# Altium PCB Copy of ECU rev B pcb.PcbDoc (part 1 of 5) (continued)
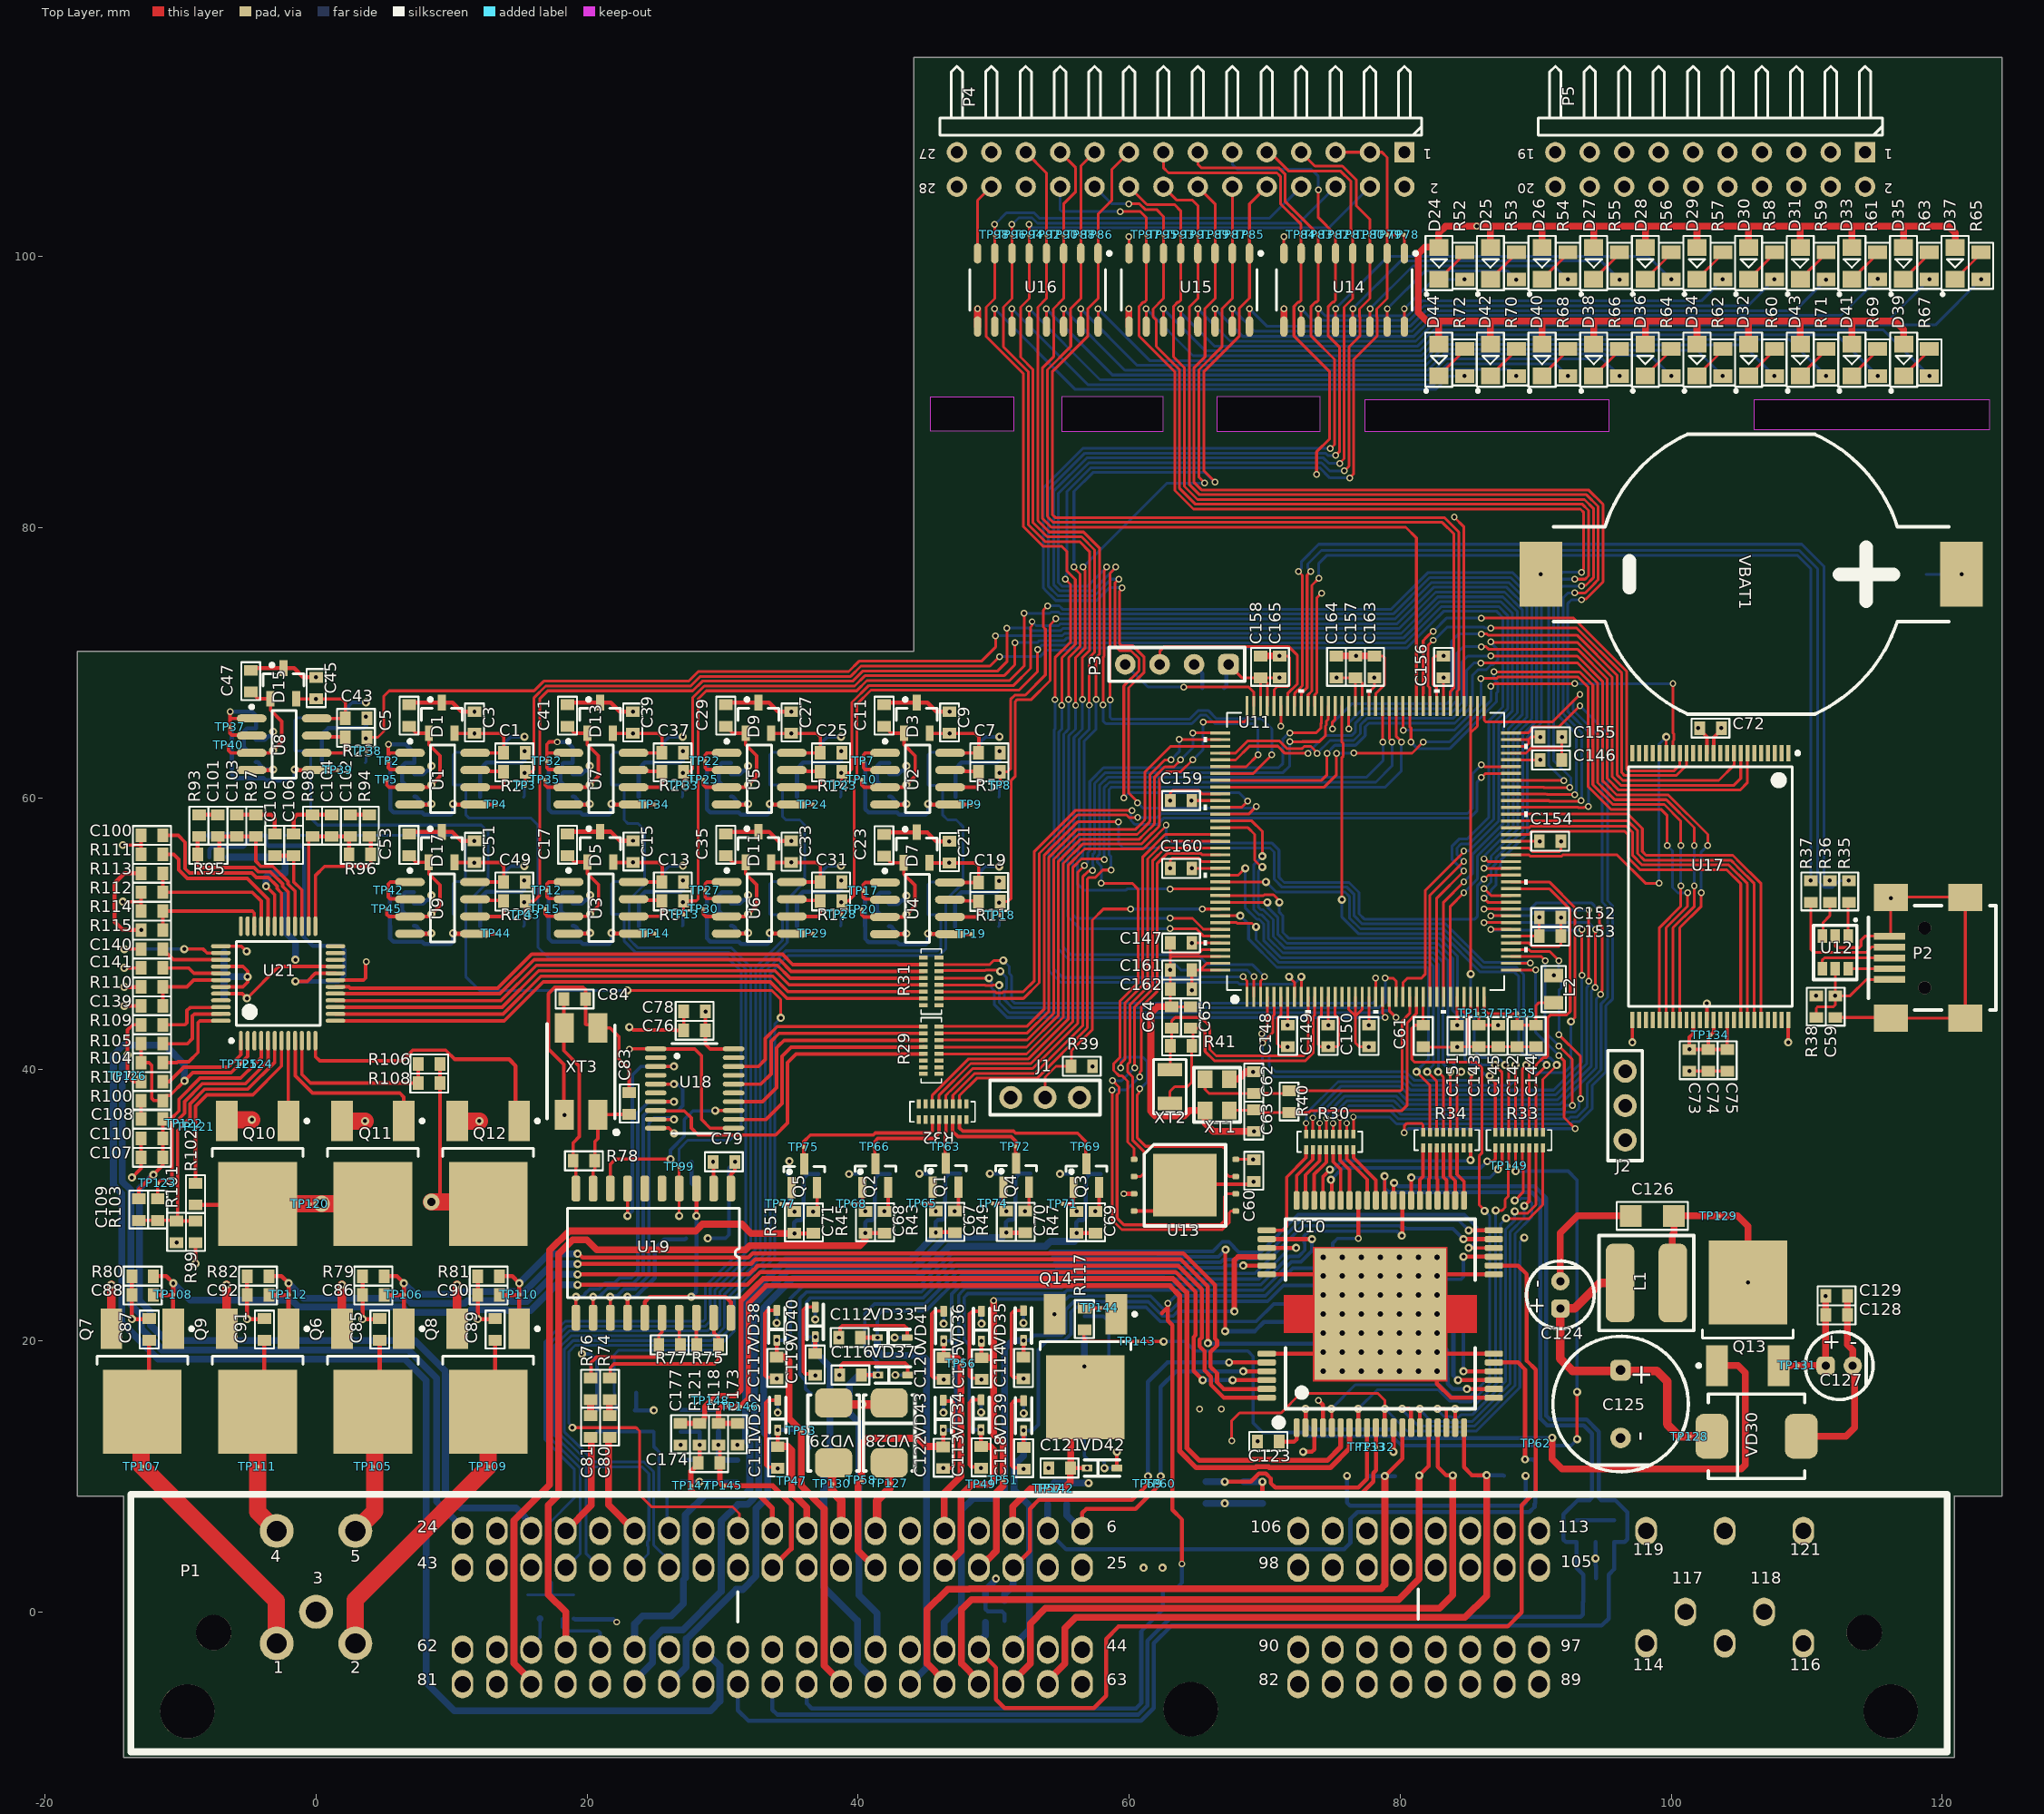
[diagram p0: Top Layer view]
## Design rules (kind name [scope] priority, off if disabled: settings) (continued)
RoomDefinition TaxoOut [InComponentClass('TaxoOut')] p27: confinementstyle=ConfineIn formatcopy=TRUE lockcomponents=FALSE outline 62.725,24.2 52.702,24.2 52.702,8.79 62.725,8.79
RoomDefinition Power [InComponentClass('Power')] p28: confinementstyle=ConfineOut formatcopy=TRUE lockcomponents=FALSE outline -45.202,148.109 -10.283,148.109 -10.283,208.942 -45.202,208.942
RoomDefinition OP11 [InComponentClass('OP11')] p29: confinementstyle=ConfineIn formatcopy=TRUE lockcomponents=FALSE outline 59.779,9.718 59.779,12.512 53.175,12.512 53.175,9.718
RoomDefinition OP10 [InComponentClass('OP10')] p30: confinementstyle=ConfineIn formatcopy=TRUE lockcomponents=TRUE outline 47.206,22.866 44.412,22.866 44.412,16.262 47.206,16.262
RoomDefinition OP8 [InComponentClass('OP8')] p31: confinementstyle=ConfineIn formatcopy=TRUE lockcomponents=FALSE outline 53.103,16.252 50.309,16.252 50.309,9.648 53.103,9.648
RoomDefinition OP3 [InComponentClass('OP3')] p32: confinementstyle=ConfineIn formatcopy=TRUE lockcomponents=FALSE outline 49.968,16.317 47.174,16.317 47.174,9.713 49.968,9.713
RoomDefinition OP2 [InComponentClass('OP2')] p33: confinementstyle=ConfineIn formatcopy=TRUE lockcomponents=TRUE outline 44.298,19.343 44.298,22.137 37.694,22.137 37.694,19.343
RoomDefinition OP1 [InComponentClass('OP1')] p34: confinementstyle=ConfineIn formatcopy=TRUE lockcomponents=FALSE outline 34.959,16.298 32.165,16.298 32.165,9.694 34.959,9.694
RoomDefinition IgnCvt3 [InComponentClass('IgnCvt3')] p35: confinementstyle=ConfineIn formatcopy=TRUE lockcomponents=FALSE outline 16.774,25.69 8.265,25.69 8.265,10.196 16.774,10.196
RoomDefinition IgnCvt2 [InComponentClass('IgnCvt2')] p36: confinementstyle=ConfineIn formatcopy=TRUE lockcomponents=FALSE outline -8.753,25.69 -17.262,25.69 -17.262,10.196 -8.753,10.196
RoomDefinition ExtRam [InComponentClass('ExtRam')] p37: confinementstyle=ConfineIn formatcopy=TRUE lockcomponents=FALSE outline 96.511,66.046 96.511,39.146 109.719,39.146 109.719,66.046
RoomDefinition DC5 [InComponentClass('DC5')] p38: confinementstyle=ConfineIn formatcopy=TRUE lockcomponents=FALSE outline 38.586,27.087 38.586,34.787 33.386,34.787 33.386,27.087
RoomDefinition DC3 [InComponentClass('DC3')] p39: confinementstyle=ConfineIn formatcopy=TRUE lockcomponents=FALSE outline 59.4,27.1 59.4,34.8 54.2,34.8 54.2,27.1
RoomDefinition DC1 [InComponentClass('DC1')] p40: confinementstyle=ConfineIn formatcopy=TRUE lockcomponents=FALSE outline 49.02,27.125 49.02,34.825 43.82,34.825 43.82,27.125
RoomDefinition CPS [InComponentClass('CPS')] p41: confinementstyle=ConfineIn formatcopy=TRUE lockcomponents=TRUE outline 26,8.414 32.2,8.414 32.2,16 26,16
RoomDefinition Connector [InComponentClass('Connector')] p42: confinementstyle=ConfineOut formatcopy=TRUE lockcomponents=FALSE outline -101.717,209.713 -101.717,147.483 -44.186,147.483 -44.186,209.713
RoomDefinition AC9 [InComponentClass('AC9')] p43: confinementstyle=ConfineIn formatcopy=TRUE lockcomponents=FALSE outline 16.387,48.922 16.387,58.447 4.703,58.447 4.703,48.922
RoomDefinition AC7 [InComponentClass('AC7')] p44: confinementstyle=ConfineIn formatcopy=TRUE lockcomponents=FALSE outline 28.077,58.456 28.077,67.981 16.393,67.981 16.393,58.456
RoutingVias RoutingVias_1 [InNetClass('CPU Lines')] p1: holewidth=0.3 width=0.5 viastyle="Through Hole" minholewidth=0.3 minwidth=0.35 maxholewidth=2 maxwidth=0.6
RoutingVias [All] p2: holewidth=0.3 width=0.6 viastyle="Through Hole" minholewidth=0.2 minwidth=0.5 maxholewidth=1 maxwidth=2
SilkToSilkClearance [All] p1: silktosilkclearance=0.1
SilkToSolderMaskClearance [IsPad] p1: minsilkscreentomaskgap=0.1 clearancetoexposedcopper=TRUE
SolderMaskExpansion [All] p1: expansion=0.102 istentingtop=FALSE
Width Width_4 [((InNetClass('CPU Lines')    OR InNetClass('AnalogLine'))  AND NOT   (InNet('3V3')    OR    InNet('GND')))] p1: maxlimit=0.203 minlimit=0.152 preferedwidth=0.203
Width Width_1 [OnLayer('GND')] p2: maxlimit=2.54 minlimit=0.254 preferedwidth=1.27 checkconnectedcopper=TRUE
Width Width_2 [OnLayer('Power')] p3: maxlimit=2.54 minlimit=0.254 preferedwidth=1.27 checkconnectedcopper=TRUE
Width [All] p4: maxlimit=1.5 minlimit=0.1 preferedwidth=0.254 minimp=50.000000 maximp=50.000000 favimp=50.000000
Width Width_3 [InNetClass('L970 line')] p5: maxlimit=0.254 minlimit=0.1 preferedwidth=0.254
23 further rules are at their usual default settings.

## Classes and differential pairs
net class AnalogLine: "Air Temp sensor" AirT "Coolant Temp sensor" CoolantT "HIP in" "HIP sensor" Lambda1 Lambda2 MAF "MAF sensor" MainVoltage MAP "MAP sensor" NetC44_2 NetC50_2 NetTP46_0 TPS "TPS sensor"
net class "CPU Lines": 3V3 \RESET AirT ALE BOOT0 CLE CoolantT FMC_D0 FMC_D1 FMC_D2 FMC_D3 FMC_D4 FMC_D5 FMC_D6 FMC_D7 GND "HIP in" Lambda1 Lambda2 MAF MainVoltage MAP NCE NOE NWAIT NWE OSC32_IN OSC32_OUT OSC_IN OSC_OUT PA0 PA1 PA2 PA3 PA4 PA5 PA6 PA7 PA8 PA15 PB0 PB1 PB2 PB3 PB4 PB5 PB6 PB7 PB8 PB9 PB10 PB11 PB12 PB13 PB14 PC7 PC9 PC10 PC11 PC12 PC13 PD2 PD3 PD6 PD7 PD8 PD9 PD10 PD13 PE0 PE1 PE2 PE3 PE4 PE5 PE6 PE11 PE12 PE13 PE14 PE15 PF6 PF7 PF8 PF9 PG6 PG7 PG8 PG9 PG10 PG11 PG12 PG13 PG14 "RAM WP" SWCLK SWDIO TPS "USB ID" "USB Vin" USB_N USB_P
net class "L970 line": "I Ign1" "I Ign2" "I Ign3" "I Ign4" "I Ing1" "I Ing2" "I Inj3" "I Inj4" "I O2" "I O2_1" "I Starter" "I StepMotor" Vkey
channel class OutProtect: OP1 OP2 OP3 OP4 OP5 OP6 OP7 OP8 OP9 OP10 OP11 OP12
channel class LambdaIn: LIN1 LIN2
channel class IgnMOSFET: IgnCvt1 IgnCvt2 IgnCvt3 IgnCvt4
channel class DigitalConverter: DC1 DC2 DC3 DC4 DC5
channel class AnalogIn: AC1 AC2 AC3 AC4 AC5 AC6 AC7 AC8 AC9
net class Ign[1..4]: Ign1 Ign2 Ign3 Ign4
net class FMC_D[0..7]: FMC_D0 FMC_D1 FMC_D2 FMC_D3 FMC_D4 FMC_D5 FMC_D6 FMC_D7
net class Coil[1..4]: Coil1 Coil2 Coil3 Coil4
component class WideLambdaSensor: C100 C101 C102 C103 C104 C105 C106 C107 C108 C109 C110 Q10 Q11 Q12 R93 R94 R95 R96 R97 R98 R99 R100 R101 R102 R103 R104 R105 R106 R107 R108 R109 TP120 TP121 TP122 TP123 TP124 TP125 TP126 U21
component class TaxoOut: Q14 R116 R117 TP142 TP143 TP144 VD31
component class StepControl: C166 C167 C168 C169 TP138 TP139 TP140 TP141
component class Power: C123 C124 C125 C126 C127 C128 C129 C130 C131 C132 C133 C134 C135 C136 C137 C138 C139 C140 C141 C142 C143 C144 C145 C146 C147 C148 C149 C150 C151 C152 C153 C154 C155 C156 C157 C158 C159 C160 C161 C162 C163 C164 C165 J2 L1 L2 Q13 R110 R111 R112 R113 R114 R115 TP127 TP128 TP129 TP130 TP131 TP132 TP133 TP135 TP136 TP137 U10 VBAT1 VD28 VD29 VD30
component class OP12: C122 VD27 VD43
component class OP11: C121 VD26 VD42
component class OP10: C120 VD25 VD41
component class OP9: C119 VD24 VD40
component class OP8: C118 VD23 VD39
component class OP7: C117 VD22 VD38
component class OP6: C116 VD21 VD37
component class OP5: C115 VD20 VD36
component class OP4: C114 VD19 VD35
component class OP3: C113 VD18 VD34
component class OP2: C112 VD17 VD33
component class OP1: C111 VD16 VD32
component class LIN2: C98 C99 R90 R91 R92 TP118 TP119
component class LIN1: C96 C97 R87 R88 R89 TP116 TP117
component class InterfaceControl: C93 C94 C95 R83 R84 R85 R86 TP113 TP114 TP115 U20
component class IgnCvt4: C91 C92 Q9 R82 TP111 TP112
component class IgnCvt3: C89 C90 Q8 R81 TP109 TP110
component class IgnCvt2: C87 C88 Q7 R80 TP107 TP108
component class IgnCvt1: C85 C86 Q6 R79 TP105 TP106
component class HIP9011: C76 C77 C78 C79 C80 C81 C82 C83 C84 R73 R74 R75 R76 R77 R78 TP99 TP100 TP101 TP102 TP103 TP104 U18 U19 XT3
component class ExtRam: C72 C73 C74 C75 U17
component class ExtIO: D24 D25 D26 D27 D28 D29 D30 D31 D32 D33 D34 D35 D36 D37 D38 D39 D40 D41 D42 D43 D44 P4 P5 R52 R53 R54 R55 R56 R57 R58 R59 R60 R61 R62 R63 R64 R65 R66 R67 R68 R69 R70 R71 R72 TP78 TP79 TP80 TP81 TP82 TP83 TP84 TP85 TP86 TP87 TP88 TP89 TP90 TP91 TP92 TP93 TP94 TP95 TP96 TP97 TP98 U14 U15 U16
component class DC5: C71 D23 Q5 R51 TP75 TP76 TP77 VD15
component class DC4: C70 D22 Q4 R49 TP72 TP73 TP74 VD14
component class DC3: C69 D21 Q3 R47 TP69 TP70 TP71 VD13
component class DC2: C68 D20 Q2 R45 TP66 TP67 TP68 VD12
component class DC1: C67 D19 Q1 R43 TP63 TP64 TP65 VD11
component class CPU: C59 C60 C61 C62 C63 C64 C65 C66 J1 P2 P3 R29 R30 R31 R32 R33 R34 R35 R36 R37 R38 R39 R40 R41 U11 U12 U13 XT1 XT2
component class CPS: C170 C171 C172 C173 C174 C175 C176 C177 R118 R119 R120 R121 TP145 TP146 TP147 TP148 TP149
component class Connector: C55 C56 C57 C58 P1 TP46 TP47 TP48 TP49 TP50 TP51 TP52 TP53 TP54 TP55 TP56 TP57 TP58 TP59 TP60 TP61 TP62 VD10
component class AC9: C49 C50 C51 C52 C53 C54 D17 D18 R25 R26 R27 TP41 TP42 TP43 TP44 TP45 U9 VD9
component class AC8: C43 C44 C45 C46 C47 C48 D15 D16 R22 R23 R24 TP36 TP37 TP38 TP39 TP40 U8 VD8
component class AC7: C37 C38 C39 C40 C41 C42 D13 D14 R19 R20 R21 TP31 TP32 TP33 TP34 TP35 U7 VD7
component class AC6: C31 C32 C33 C34 C35 C36 D11 D12 R16 R17 R18 TP26 TP27 TP28 TP29 TP30 U6 VD6
component class AC5: C25 C26 C27 C28 C29 C30 D9 D10 R13 R14 R15 TP21 TP22 TP23 TP24 TP25 U5 VD5
component class AC4: C19 C20 C21 C22 C23 C24 D7 D8 R10 R11 R12 TP16 TP17 TP18 TP19 TP20 U4 VD4
component class AC3: C13 C14 C15 C16 C17 C18 D5 D6 R7 R8 R9 TP11 TP12 TP13 TP14 TP15 U3 VD3
component class AC2: C7 C8 C9 C10 C11 C12 D3 D4 R4 R5 R6 TP6 TP7 TP8 TP9 TP10 U2 VD2
component class AC1: C1 C2 C3 C4 C5 C6 D1 D2 R1 R2 R3 TP1 TP2 TP3 TP4 TP5 U1 VD1
component class 12to5: R28
differential pair VRS: +VRS_P -VRS_N
differential pair USB: +USB_P -USB_N
differential pair CPS: +CPS_P -CPS_N

## Components (designator, comment, footprint, x,y, rotation, side; value= is the part's Value field where it differs from the comment)
C1 "100nF\50V" "SMD 0603" 15.434,63.367 r180 top (schematic designator C90)
C2 "1nF" "SMD 0603" 8.519,62.393 r0 bottom (schematic designator C87)
C3 "100nF\50V" "SMD 0603" 11.694,64.806 r90 top (schematic designator C88)
C4 "1nF" "SMD 0603" 15.377,63.485 r270 bottom (schematic designator C92)
C5 "1nF" "SMD 0603" 6.868,66.914 r270 top (schematic designator C89)
C6 "1nF" "SMD 0603" 8.519,59.599 r0 bottom (schematic designator C91)
C7 "100nF\50V" "SMD 0603" 50.486,63.367 r180 top (schematic designator C90)
C8 "1nF" "SMD 0603" 43.571,62.393 r0 bottom (schematic designator C87)
C9 "100nF\50V" "SMD 0603" 46.746,64.806 r90 top (schematic designator C88)
C10 "1nF" "SMD 0603" 50.429,63.485 r270 bottom (schematic designator C92)
C11 "1nF" "SMD 0603" 41.92,66.914 r270 top (schematic designator C89)
C12 "1nF" "SMD 0603" 43.571,59.599 r0 bottom (schematic designator C91)
C13 "100nF\50V" "SMD 0603" 27.131,53.845 r180 top (schematic designator C90)
C14 "1nF" "SMD 0603" 20.216,52.871 r0 bottom (schematic designator C87)
C15 "100nF\50V" "SMD 0603" 23.391,55.284 r90 top (schematic designator C88)
C16 "1nF" "SMD 0603" 27.074,53.963 r270 bottom (schematic designator C92)
C17 "1nF" "SMD 0603" 18.565,57.392 r270 top (schematic designator C89)
C18 "1nF" "SMD 0603" 20.216,50.077 r0 bottom (schematic designator C91)
C19 "100nF\50V" "SMD 0603" 50.476,53.806 r180 top (schematic designator C90)
C20 "1nF" "SMD 0603" 43.561,52.832 r0 bottom (schematic designator C87)
C21 "100nF\50V" "SMD 0603" 46.736,55.245 r90 top (schematic designator C88)
C22 "1nF" "SMD 0603" 50.419,53.924 r270 bottom (schematic designator C92)
C23 "1nF" "SMD 0603" 41.91,57.353 r270 top (schematic designator C89)
C24 "1nF" "SMD 0603" 43.561,50.038 r0 bottom (schematic designator C91)
C25 "100nF\50V" "SMD 0603" 38.802,63.367 r180 top (schematic designator C90)
C26 "1nF" "SMD 0603" 31.887,62.393 r0 bottom (schematic designator C87)
C27 "100nF\50V" "SMD 0603" 35.062,64.806 r90 top (schematic designator C88)
C28 "1nF" "SMD 0603" 38.745,63.485 r270 bottom (schematic designator C92)
C29 "1nF" "SMD 0603" 30.236,66.914 r270 top (schematic designator C89)
C30 "1nF" "SMD 0603" 31.887,59.599 r0 bottom (schematic designator C91)
C31 "100nF\50V" "SMD 0603" 38.802,53.842 r180 top (schematic designator C90)
C32 "1nF" "SMD 0603" 31.887,52.868 r0 bottom (schematic designator C87)
C33 "100nF\50V" "SMD 0603" 35.062,55.281 r90 top (schematic designator C88)
C34 "1nF" "SMD 0603" 38.745,53.96 r270 bottom (schematic designator C92)
C35 "1nF" "SMD 0603" 30.236,57.389 r270 top (schematic designator C89)
C36 "1nF" "SMD 0603" 31.887,50.074 r0 bottom (schematic designator C91)
C37 "100nF\50V" "SMD 0603" 27.118,63.367 r180 top (schematic designator C90)
C38 "1nF" "SMD 0603" 20.203,62.393 r0 bottom (schematic designator C87)
C39 "100nF\50V" "SMD 0603" 23.378,64.806 r90 top (schematic designator C88)
C40 "1nF" "SMD 0603" 27.061,63.485 r270 bottom (schematic designator C92)
C41 "1nF" "SMD 0603" 18.552,66.914 r270 top (schematic designator C89)
C42 "1nF" "SMD 0603" 20.203,59.599 r0 bottom (schematic designator C91)
C43 "100nF\50V" "SMD 0603" 3.75,65.907 r180 top (schematic designator C90)
C44 "1nF" "SMD 0603" -3.165,64.933 r0 bottom (schematic designator C87)
C45 "100nF\50V" "SMD 0603" 0.01,67.346 r90 top (schematic designator C88)
C46 "1nF" "SMD 0603" 3.693,66.025 r270 bottom (schematic designator C92)
C47 "1nF" "SMD 0603" -4.816,69.454 r270 top (schematic designator C89)
C48 "1nF" "SMD 0603" -3.165,62.139 r0 bottom (schematic designator C91)
C49 "100nF\50V" "SMD 0603" 15.428,53.833 r180 top (schematic designator C90)
C50 "1nF" "SMD 0603" 8.513,52.859 r0 bottom (schematic designator C87)
C51 "100nF\50V" "SMD 0603" 11.688,55.272 r90 top (schematic designator C88)
C52 "1nF" "SMD 0603" 15.371,53.951 r270 bottom (schematic designator C92)
C53 "1nF" "SMD 0603" 6.862,57.38 r270 top (schematic designator C89)
C54 "1nF" "SMD 0603" 8.513,50.065 r0 bottom (schematic designator C91)
C55 "1nF" "SMD 0603" 50.8,-0.762 r90 bottom (schematic designator C1)
C56 "1nF" "SMD 0603" 53.983,9.525 r270 bottom (schematic designator C3)
C57 "1nF" "SMD 0603" 55.38,9.525 r270 bottom (schematic designator C2)
C58 "1nF" "SMD 0603" 49.403,0.838 r270 bottom (schematic designator C4)
C59 "0.1uF" "SMD 0603" 112.1,45.446 r270 top (schematic designator C102)
C60 "0.1uF" "SMD 0603" 69.195,33.345 r270 top (schematic designator C101)
C61 "0.1uF" "SMD 0603" 81.699,43.277 r270 top (schematic designator C95)
C62 "10pF" "SMD 0603" 69.2,38.246 r90 top (schematic designator C96)
C63 "10pF" "SMD 0603" 69.2,37.046 r270 top (schematic designator C97)
C64 "22pF" "SMD 0603" 63.13,43.046 r90 top (schematic designator C98)
C65 "22pF" "SMD 0603" 64.53,43.046 r90 top (schematic designator C99)
C66 "0.1uF" "SMD 0603" 65.4,68.146 r0 bottom (schematic designator C100)
C67 "1nF" "SMD 0603" 47.136,29.566 r270 top (schematic designator C77)
C68 "1nF" "SMD 0603" 41.947,29.539 r270 top (schematic designator C77)
C69 "1nF" "SMD 0603" 57.516,29.541 r270 top (schematic designator C77)
C70 "1nF" "SMD 0603" 52.337,29.566 r270 top (schematic designator C77)
C71 "1nF" "SMD 0603" 36.702,29.528 r270 top (schematic designator C77)
C72 "100nF\50V" "SMD 0603" 102.099,65.191 r0 top (schematic designator C103)
C73 "100nF\50V" "SMD 0603" 101.337,39.892 r90 top (schematic designator C104)
C74 "100nF\50V" "SMD 0603" 102.734,39.892 r90 top (schematic designator C105)
C75 "100nF\50V" "SMD 0603" 104.131,39.892 r90 top (schematic designator C106)
C76 "100nF\50V" "SMD 0603" 28.735,42.899 r180 top (schematic designator C84)
C77 "100nF\50V" "SMD 0603" 23.114,41.529 r90 bottom (schematic designator C86)
C78 "1uF" "SMD 0603" 28.735,44.297 r180 top (schematic designator C85)
C79 "4.7uF" "SMD 0603" 29.3,33.2 r0 top (schematic designator C81)
C80 "3.3nF" "SMD 0603" 21.659,14.463 r270 top (schematic designator C78)
C81 "3.3nF" "SMD 0603" 20.262,14.463 r270 top (schematic designator C79)
C82 "22nF" "SMD 0603" 29.3,33.2 r180 bottom (schematic designator C80)
C83 "22pF" "SMD 0603" 23.114,38.303 r270 top (schematic designator C82)
C84 "22pF" "SMD 0603" 19.888,45.212 r180 top (schematic designator C83)
C85 "1nF" "SMD 0603" 4.709,21.626 r270 top (schematic designator C49)
C86 "1.5nF\50V" "SMD 0603" 3.429,23.368 r0 top (schematic designator C48)
C87 "1nF" "SMD 0603" -12.309,21.626 r270 top (schematic designator C49)
C88 "1.5nF\50V" "SMD 0603" -13.589,23.368 r0 top (schematic designator C48)
C89 "1nF" "SMD 0603" 13.218,21.626 r270 top (schematic designator C49)
C90 "1.5nF\50V" "SMD 0603" 11.938,23.368 r0 top (schematic designator C48)
C91 "1nF" "SMD 0603" -3.8,21.626 r270 top (schematic designator C49)
C92 "1.5nF\50V" "SMD 0603" -5.08,23.368 r0 top (schematic designator C48)
C93 "4.7nF" "SMD 0603" 94.406,5.145 r90 bottom (schematic designator C52)
C94 "1nF" "SMD 0603" 61.065,3.26 r270 bottom (schematic designator C51)
C95 "10nF\100V" "SMD 0603" -7.874,55.677 r90 bottom (schematic designator C50)
C96 "33nF" "SMD 0603" 22.029,16.156 r0 bottom (schematic designator C94)
C97 "1nF" "SMD 0603" 23.529,14.862 r270 bottom (schematic designator C93)
C98 "33nF" "SMD 0603" -0.889,57.277 r270 bottom (schematic designator C94)
C99 "1nF" "SMD 0603" -3.683,57.277 r270 bottom (schematic designator C93)
C100 "4.7uF" "SMD 0603" -11.303,57.277 r180 top (schematic designator C69)
C101 "NC" "SMD 0603" -7.239,58.801 r270 top (schematic designator C67)
C102 "NC" "SMD 0603" 2.54,58.801 r270 top (schematic designator C71)
C103 "NC" "SMD 0603" -5.842,57.201 r90 top (schematic designator C66)
C104 "NC" "SMD 0603" 1.143,57.201 r90 top (schematic designator C72)
C105 "NC" "SMD 0603" -3.048,55.78 r90 top (schematic designator C68)
C106 "NC" "SMD 0603" -1.651,57.38 r270 top (schematic designator C70)
C107 "2.2nF" "SMD 0603" -11.303,33.528 r180 top (schematic designator C74)
C108 "1uF" "SMD 0603" -12.903,36.364 r0 top (schematic designator C75)
C109 "1uF" "SMD 0603" -13.081,28.88 r90 top (schematic designator C73)
C110 "1nF" "SMD 0603" -12.903,34.925 r0 top (schematic designator C76)
C111 "1nF" "SMD 0603" 34.07,10.583 r90 top (schematic designator C57)
C112 "1nF" "SMD 0603" 38.583,20.232 r0 top (schematic designator C57)
C113 "1nF" "SMD 0603" 49.079,10.602 r90 top (schematic designator C57)
C114 "1nF" "SMD 0603" 52.202,17.188 r90 top (schematic designator C57)
C115 "1nF" "SMD 0603" 49.104,17.144 r90 top (schematic designator C57)
C116 "1nF" "SMD 0603" 38.634,17.471 r0 top (schematic designator C57)
C117 "1nF" "SMD 0603" 34,17.2 r90 top (schematic designator C57)
C118 "1nF" "SMD 0603" 52.214,10.537 r90 top (schematic designator C57)
C119 "1nF" "SMD 0603" 36.833,17.453 r90 top (schematic designator C57)
C120 "1nF" "SMD 0603" 46.317,17.151 r90 top (schematic designator C57)
C121 "1nF" "SMD 0603" 54.064,10.607 r0 top (schematic designator C57)
C122 "1nF" "SMD 0603" 46.284,10.576 r90 top (schematic designator C57)
C123 "100nF\50V" "SMD 0603" 71.069,12.573 r180 top (schematic designator C40)
C124 "10uF\100V" "CAP 5x11" 91.821,23.384 r90 top (schematic designator C10)
C125 "100uF\100V" "CAP 10x20" 96.266,15.327 r270 top (schematic designator C12)
C126 "2.2uF\100V" "SMD 1206" 97.003,29.21 r0 top (schematic designator C15)
C127 "10uF\100V" "CAP 5x11" 112.395,18.161 r0 top (schematic designator C38)
C128 "100nF\50V" "SMD 0603" 113.003,21.91 r180 top (schematic designator C39)
C129 "1uF" "SMD 0603" 113.003,23.307 r180 top (schematic designator C41)
C130 "10nF\50V" "SMD 0603" 68.437,8.002 r90 bottom (schematic designator C42)
C131 "10nF\50V" "SMD 0603" 65.659,8.002 r90 bottom (schematic designator C43)
C132 "1uF" "SMD 0603" 69.834,8.002 r90 bottom (schematic designator C45)
C133 "1uF" "SMD 0603" 67.056,8.002 r90 bottom (schematic designator C46)
C134 "1uF" "SMD 0603" 65.197,14.967 r0 bottom (schematic designator C47)
C135 "100nF\50V" "SMD 0603" 2.097,47.955 r0 bottom (schematic designator C29)
C136 "100nF\50V" "SMD 0603" -6.724,48.725 r0 bottom (schematic designator C31)
C137 "100nF\50V" "SMD 0603" -6.695,45.257 r0 bottom (schematic designator C33)
C138 "100nF\50V" "SMD 0603" -1.523,46.508 r90 bottom (schematic designator C35)
C139 "10nF\100V" "SMD 0603" -12.903,44.704 r0 top (schematic designator C44)
C140 "470nF\16V" "SMD 0603" -12.903,48.895 r0 top (schematic designator C36)
C141 "1uF" "SMD 0603" -11.303,47.498 r180 top (schematic designator C37)
C142 "1uF" "SMD 0603" 88.63,43.277 r270 top (schematic designator C19)
C143 "1uF" "SMD 0603" 85.813,43.277 r270 top (schematic designator C25)
C144 "100nF\50V" "SMD 0603" 90.03,41.677 r90 top (schematic designator C17)
C145 "100nF\50V" "SMD 0603" 87.23,41.677 r90 top (schematic designator C22)
C146 "2.2uF" "SMD 0603" 91.93,62.846 r180 top (schematic designator C27)
C147 "2.2uF" "SMD 0603" 63.03,49.346 r0 top (schematic designator C28)
C148 "100nF\50V" "SMD 0603" 71.699,41.677 r90 top (schematic designator C5)
C149 "100nF\50V" "SMD 0603" 74.699,41.677 r90 top (schematic designator C6)
C150 "100nF\50V" "SMD 0603" 77.699,41.677 r90 top (schematic designator C7)
C151 "100nF\50V" "SMD 0603" 84.199,41.677 r90 top (schematic designator C8)
C152 "100nF\50V" "SMD 0603" 91.868,51.214 r180 top (schematic designator C9)
C153 "100nF\50V" "SMD 0603" 91.868,49.846 r180 top (schematic designator C11)
C154 "100nF\50V" "SMD 0603" 91.868,56.846 r180 top (schematic designator C13)
C155 "100nF\50V" "SMD 0603" 91.93,64.546 r180 top (schematic designator C14)
C156 "100nF\50V" "SMD 0603" 83.199,70.514 r270 top (schematic designator C16)
C157 "100nF\50V" "SMD 0603" 76.699,70.514 r270 top (schematic designator C18)
C158 "100nF\50V" "SMD 0603" 69.699,70.514 r270 top (schematic designator C20)
C159 "100nF\50V" "SMD 0603" 63.03,59.846 r0 top (schematic designator C21)
C160 "100nF\50V" "SMD 0603" 63.03,54.846 r0 top (schematic designator C23)
C161 "100nF\50V" "SMD 0603" 63.03,47.346 r0 top (schematic designator C24)
C162 "4.7uF" "SMD 0603" 63.03,45.946 r0 top (schematic designator C26)
C163 "100nF\50V" "SMD 0603" 78.099,70.514 r270 top (schematic designator C30)
C164 "100nF\50V" "SMD 0603" 75.299,70.514 r270 top (schematic designator C32)
C165 "4.7uF" "SMD 0603" 71.099,70.514 r270 top (schematic designator C34)
C166 "1nF" "SMD 0603" 89.263,10.03 r180 bottom (schematic designator C53)
C167 "1nF" "SMD 0603" 89.263,8.633 r180 bottom (schematic designator C54)
C168 "1nF" "SMD 0603" 76.076,8.633 r0 bottom (schematic designator C55)
C169 "1nF" "SMD 0603" 76.076,10.03 r0 bottom (schematic designator C56)
C170 "100nF" "SMD 0603" 29.7,13.3 r90 bottom (schematic designator C59)
C171 "4.7nF" "SMD 0603" 31.105,9.597 r90 bottom (schematic designator C60)
C172 "100pF" "SMD 0603" 29.708,9.597 r90 bottom (schematic designator C62)
C173 "470pF" "SMD 0603" 31.1,12.3 r90 top (schematic designator C64)
C174 "470pF" "SMD 0603" 28.2,11 r0 top (schematic designator C58)
C175 "4.7nF" "SMD 0603" 26.9,9.6 r90 bottom (schematic designator C61)
C176 "100pF" "SMD 0603" 28.308,9.597 r90 bottom (schematic designator C63)
C177 "470pF" "SMD 0603" 26.9,12.3 r90 top (schematic designator C65)
D1 "BAS70-04" SOT23_N 9.281,65.949 r90 top (schematic designator D2)
D2 "2.7V" SOD123 13.726,60.107 r0 bottom (schematic designator D3)
D3 "BAS70-04" SOT23_N 44.333,65.949 r90 top (schematic designator D2)
D4 "2.7V" SOD123 48.778,60.107 r0 bottom (schematic designator D3)
D5 "BAS70-04" SOT23_N 20.978,56.427 r90 top (schematic designator D2)
D6 "2.7V" SOD123 25.423,50.585 r0 bottom (schematic designator D3)
D7 "BAS70-04" SOT23_N 44.323,56.388 r90 top (schematic designator D2)
D8 "2.7V" SOD123 48.768,50.546 r0 bottom (schematic designator D3)
D9 "BAS70-04" SOT23_N 32.649,65.949 r90 top (schematic designator D2)
D10 "2.7V" SOD123 37.094,60.107 r0 bottom (schematic designator D3)
D11 "BAS70-04" SOT23_N 32.649,56.424 r90 top (schematic designator D2)
D12 "2.7V" SOD123 37.094,50.582 r0 bottom (schematic designator D3)
D13 "BAS70-04" SOT23_N 20.965,65.949 r90 top (schematic designator D2)
D14 "2.7V" SOD123 25.41,60.107 r0 bottom (schematic designator D3)
D15 "BAS70-04" SOT23_N -2.403,68.489 r90 top (schematic designator D2)
D16 "2.7V" SOD123 2.042,62.647 r0 bottom (schematic designator D3)
D17 "BAS70-04" SOT23_N 9.275,56.415 r90 top (schematic designator D2)
D18 "2.7V" SOD123 13.72,50.573 r0 bottom (schematic designator D3)
D19 "4.7V" SOD323 46.42,30.625 r0 bottom (schematic designator D1)
D20 "4.7V" SOD323 41.231,30.598 r0 bottom (schematic designator D1)
D21 "4.7V" SOD323 56.8,30.6 r0 bottom (schematic designator D1)
D22 "4.7V" SOD323 51.621,30.625 r0 bottom (schematic designator D1)
D23 "4.7V" SOD323 35.986,30.587 r0 bottom (schematic designator D1)
D24 "LED" "LED 0805" 82.865,98.297 r90 top (schematic designator D11)
D25 "LED" "LED 0805" 86.66,98.297 r90 top (schematic designator D12)
D26 "LED" "LED 0805" 90.47,98.297 r90 top (schematic designator D13)
D27 "LED" "LED 0805" 94.28,98.297 r90 top (schematic designator D14)
D28 "LED" "LED 0805" 98.09,98.297 r90 top (schematic designator D15)
D29 "LED" "LED 0805" 101.9,98.297 r90 top (schematic designator D16)
D30 "LED" "LED 0805" 105.71,98.297 r90 top (schematic designator D17)
D31 "LED" "LED 0805" 109.52,98.297 r90 top (schematic designator D18)
D32 "LED" "LED 0805" 105.71,91.167 r90 top (schematic designator D4)
D33 "LED" "LED 0805" 113.33,98.297 r90 top (schematic designator D19)
D34 "LED" "LED 0805" 101.9,91.167 r90 top (schematic designator D5)
D35 "LED" "LED 0805" 117.14,98.297 r90 top (schematic designator D20)
D36 "LED" "LED 0805" 98.09,91.167 r90 top (schematic designator D6)
D37 "LED" "LED 0805" 120.95,98.297 r90 top (schematic designator D21)
D38 "LED" "LED 0805" 94.28,91.167 r90 top (schematic designator D7)
D39 "LED" "LED 0805" 117.155,91.167 r90 top (schematic designator D22)
D40 "LED" "LED 0805" 90.47,91.167 r90 top (schematic designator D8)
D41 "LED" "LED 0805" 113.33,91.167 r90 top (schematic designator D23)
D42 "LED" "LED 0805" 86.66,91.167 r90 top (schematic designator D9)
D43 "LED" "LED 0805" 109.52,91.167 r90 top (schematic designator D24)
D44 "LED" "LED 0805" 82.85,91.167 r90 top (schematic designator D10)
J1 "JUMPER SWITCH" JMP3 53.8,37.946 r0 top (schematic designator J2)
J2 "JUMPER SWITCH" JMP3 96.6,37.34 r270 top (schematic designator J1)
L1 "3.3uH\2A" SDR0604 98.171,24.257 r0 top
L2 "FB, 0.25OHM, 500MA," "SMD 0805" 91.33,44.946 r90 top
P1 "ECU 121 pin connector" 1241434-1 53.35,-7.33 r0 top locked
P2 "MINI USB B SMD" "MINI USB B SMD" 123.95,48.246 r90 top (schematic designator P3)
P3 "JTAG" "HEADER 1x4" 63.523,69.896 r180 top (schematic designator P2)
P4 "Header 14X2H" HDR2X14H 80.31,107.677 r180 top
P5 "Header 10X2H" HDR2X10H 114.31,107.677 r180 top
Q1 "50V / 100mA" SOT23 46.462,32.203 r90 top (schematic designator Q6)
Q2 "50V / 100mA" SOT23 41.273,32.176 r90 top (schematic designator Q6)
Q3 "50V / 100mA" SOT23 56.842,32.178 r90 top (schematic designator Q6)
Q4 "50V / 100mA" SOT23 51.663,32.203 r90 top (schematic designator Q6)
Q5 "50V / 100mA" SOT23 36.028,32.165 r90 top (schematic designator Q6)
Q6 "STGD18N40" DPAK228P991X238-3M 4.201,16.8 r270 top (schematic designator Q2)
Q7 "STGD18N40" DPAK228P991X238-3M -12.817,16.8 r270 top (schematic designator Q2)
Q8 "STGD18N40" DPAK228P991X238-3M 12.71,16.8 r270 top (schematic designator Q2)
Q9 "STGD18N40" DPAK228P991X238-3M -4.308,16.8 r270 top (schematic designator Q2)
Q10 "IRFR1018EPbF" DPAK228P991X238-3M -4.308,32.131 r270 top (schematic designator Q3)
Q11 "IRFR1018EPbF" DPAK228P991X238-3M 4.201,32.131 r270 top (schematic designator Q4)
Q12 "IRFR1018EPbF" DPAK228P991X238-3M 12.71,32.131 r270 top (schematic designator Q5)
Q13 "IRFR1018EPbF" DPAK228P991X238-3M 105.658,22.241 r90 top (schematic designator Q1)
Q14 "IRFR1018EPbF" DPAK228P991X238-3M 56.775,17.874 r270 top (schematic designator Q7)
R1 "10k" "SMD 0603" 10.119,60.996 r180 bottom (schematic designator R41)
R2 "100R" "SMD 0603" 13.834,61.97 r0 top (schematic designator R43)
R3 "47k" YC164 6.36,61.377 r270 bottom (schematic designator R42)
R4 "10k" "SMD 0603" 45.171,60.996 r180 bottom (schematic designator R41)
R5 "100R" "SMD 0603" 48.886,61.97 r0 top (schematic designator R43)
R6 "47k" YC164 41.412,61.377 r270 bottom (schematic designator R42)
R7 "10k" "SMD 0603" 21.816,51.474 r180 bottom (schematic designator R41)
R8 "100R" "SMD 0603" 25.531,52.448 r0 top (schematic designator R43)
R9 "47k" YC164 18.057,51.855 r270 bottom (schematic designator R42)
R10 "10k" "SMD 0603" 45.161,51.435 r180 bottom (schematic designator R41)
R11 "100R" "SMD 0603" 48.876,52.409 r0 top (schematic designator R43)
R12 "47k" YC164 41.402,51.816 r270 bottom (schematic designator R42)
R13 "10k" "SMD 0603" 33.487,60.996 r180 bottom (schematic designator R41)
R14 "100R" "SMD 0603" 37.202,61.97 r0 top (schematic designator R43)
R15 "47k" YC164 29.728,61.377 r270 bottom (schematic designator R42)
R16 "10k" "SMD 0603" 33.487,51.471 r180 bottom (schematic designator R41)
R17 "100R" "SMD 0603" 37.202,52.445 r0 top (schematic designator R43)
R18 "47k" YC164 29.728,51.852 r270 bottom (schematic designator R42)
R19 "10k" "SMD 0603" 21.803,60.996 r180 bottom (schematic designator R41)
R20 "100R" "SMD 0603" 25.518,61.97 r0 top (schematic designator R43)
R21 "47k" YC164 18.044,61.377 r270 bottom (schematic designator R42)
R22 "10k" "SMD 0603" -1.565,63.536 r180 bottom (schematic designator R41)
R23 "100R" "SMD 0603" 2.15,64.51 r0 top (schematic designator R43)
R24 "47k" YC164 -5.324,63.917 r270 bottom (schematic designator R42)
R25 "10k" "SMD 0603" 10.113,51.462 r180 bottom (schematic designator R41)
R26 "100R" "SMD 0603" 13.828,52.436 r0 top (schematic designator R43)
R27 "47k" YC164 6.354,51.843 r270 bottom (schematic designator R42)
R28 "47k" YC164 17.772,0.381 r180 bottom (schematic designator R44)
R29 "33R" YC248 45.399,41.43 r90 top (schematic designator R53)
R30 "33R" YC248 74.803,34.671 r180 top (schematic designator R54)
R31 "33R" YC248 45.399,46.502 r90 top (schematic designator R55)
R32 "33R" YC248 46.232,36.897 r180 top (schematic designator R56)
R33 "33R" YC248 88.773,34.798 r180 top (schematic designator R57)
R34 "33R" YC248 83.439,34.798 r180 top (schematic designator R58)
R35 "27R" "SMD 0603" 113.1,53.946 r270 top (schematic designator R59)
R36 "27R" "SMD 0603" 111.7,53.946 r270 top (schematic designator R60)
R37 "27R" "SMD 0603" 110.3,53.946 r270 top (schematic designator R61)
R38 "10K" "SMD 0603" 110.7,43.846 r90 top (schematic designator R62)
R39 "10K" "SMD 0603" 55.7,40.246 r0 top (schematic designator R50)
R40 "1M" "SMD 0603" 71.8,38.446 r270 top (schematic designator R51)
R41 "1M" "SMD 0603" 63.03,41.746 r0 top (schematic designator R52)
R43 "10k" "SMD 0603" 45.735,27.966 r90 top (schematic designator R33)
R45 "10k" "SMD 0603" 40.546,27.939 r90 top (schematic designator R33)
R47 "10k" "SMD 0603" 56.115,27.941 r90 top (schematic designator R33)
R49 "10k" "SMD 0603" 50.936,27.966 r90 top (schematic designator R33)
R51 "10k" "SMD 0603" 35.301,27.928 r90 top (schematic designator R33)
R52 "1k" "SMD 0805" 84.755,98.297 r90 top (schematic designator R70)
R53 "1k" "SMD 0805" 88.565,98.297 r90 top (schematic designator R71)
R54 "1k" "SMD 0805" 92.375,98.297 r90 top (schematic designator R72)
R55 "1k" "SMD 0805" 96.185,98.297 r90 top (schematic designator R73)
R56 "1k" "SMD 0805" 99.995,98.297 r90 top (schematic designator R74)
R57 "1k" "SMD 0805" 103.805,98.297 r90 top (schematic designator R75)
R58 "1k" "SMD 0805" 107.615,98.297 r90 top (schematic designator R76)
R59 "1k" "SMD 0805" 111.425,98.297 r90 top (schematic designator R77)
R60 "1k" "SMD 0805" 107.615,91.167 r90 top (schematic designator R63)
R61 "1k" "SMD 0805" 115.235,98.297 r90 top (schematic designator R78)
R62 "1k" "SMD 0805" 103.805,91.167 r90 top (schematic designator R64)
R63 "1k" "SMD 0805" 119.045,98.297 r90 top (schematic designator R79)
R64 "1k" "SMD 0805" 99.995,91.167 r90 top (schematic designator R65)
R65 "1k" "SMD 0805" 122.855,98.297 r90 top (schematic designator R80)
R66 "1k" "SMD 0805" 96.185,91.167 r90 top
R67 "1k" "SMD 0805" 119.045,91.167 r90 top (schematic designator R81)
R68 "1k" "SMD 0805" 92.375,91.167 r90 top (schematic designator R67)
R69 "1k" "SMD 0805" 115.235,91.167 r90 top (schematic designator R82)
R70 "1k" "SMD 0805" 88.565,91.167 r90 top (schematic designator R68)
R71 "1k" "SMD 0805" 111.425,91.167 r90 top (schematic designator R83)
R72 "1k" "SMD 0805" 84.755,91.167 r90 top (schematic designator R69)
R73 "10K" "SMD 0603" 28.905,27.559 r180 bottom (schematic designator R40)
R74 "33k 0.1%" "SMD 0603" 21.659,15.657 r90 top (schematic designator R35)
R75 "33k 0.1%" "SMD 0603" 29.7,19.7 r180 top (schematic designator R37)
R76 "33k 0.1%" "SMD 0603" 20.262,15.657 r90 top (schematic designator R36)
R77 "33k 0.1%" "SMD 0603" 25.3,19.7 r0 top (schematic designator R38)
R78 "1M" "SMD 0603" 20.574,33.274 r180 top (schematic designator R39)
R79 "4.7k" "SMD 0603" 3.429,24.765 r0 top (schematic designator R7)
R80 "4.7k" "SMD 0603" -13.589,24.765 r0 top (schematic designator R7)
R81 "4.7k" "SMD 0603" 11.938,24.765 r0 top (schematic designator R7)
R82 "4.7k" "SMD 0603" -5.08,24.765 r0 top (schematic designator R7)
R83 "60.4" "SMD 0603" 95.803,6.745 r270 bottom (schematic designator R10)
R84 "60.4" "SMD 0603" 93.009,6.745 r270 bottom (schematic designator R11)
R85 "100k" "SMD 0603" 62.462,1.66 r90 bottom (schematic designator R9)
R86 "7.5k" "SMD 0603" -6.477,55.677 r90 bottom (schematic designator R8)
R87 "511k" "SMD 0603" 20.735,14.862 r270 bottom (schematic designator R45)
R88 "10k 0.1%" "SMD 0603" 22.132,13.262 r90 bottom (schematic designator R47)
R89 "51k" "SMD 0603" 24.926,13.262 r90 bottom (schematic designator R46)
R90 "511k" "SMD 0603" -2.286,52.883 r90 bottom (schematic designator R45)
R91 "10k 0.1%" "SMD 0603" -2.286,55.677 r90 bottom (schematic designator R47)
R92 "51k" "SMD 0603" -5.08,55.677 r90 bottom (schematic designator R46)
R93 "NC" "SMD 0603" -8.636,58.801 r270 top (schematic designator R16)
R94 "NC" "SMD 0603" 3.937,58.801 r270 top (schematic designator R25)
R95 "NC" "SMD 0603" -7.136,55.88 r180 top (schematic designator R23)
R96 "NC" "SMD 0603" 2.44,55.88 r0 top (schematic designator R24)
R97 "NC" "SMD 0603" -4.445,57.201 r90 top (schematic designator R22)
R98 "NC" "SMD 0603" -0.254,57.201 r90 top (schematic designator R29)
R99 "11K" "SMD 0603" -8.89,27.229 r90 top (schematic designator R30)
R100 "10K" "SMD 0603" -12.903,37.719 r0 top (schematic designator R32)
R101 "45.3K" "SMD 0603" -10.287,28.829 r270 top (schematic designator R31)
R102 "10K" "SMD 0603" -8.89,31.623 r270 top (schematic designator R17)
R103 "442" "SMD 0603" -11.684,30.48 r270 top (schematic designator R26)
R104 "NC" "SMD 0603" -11.303,40.513 r180 top (schematic designator R18)
R105 "NC" "SMD 0603" -11.303,41.91 r180 top (schematic designator R19)
R106 "4.02k" "SMD 0603" 9.151,40.417 r180 top (schematic designator R27)
R107 "NC" "SMD 0603" -11.303,39.108 r180 top (schematic designator R20)
R108 "4.02k" "SMD 0603" 9.151,39.008 r180 top (schematic designator R28)
R109 "NC" "SMD 0603" -11.303,43.307 r180 top (schematic designator R21)
R110 "1k" "SMD 0603" -11.303,46.101 r180 top (schematic designator R2)
R111 "12.1k" "SMD 0603" -12.903,55.88 r0 top (schematic designator R1)
R112 "NC" "SMD 0603" -12.903,53.086 r0 top (schematic designator R3)
R113 "NC" "SMD 0603" -11.303,54.483 r180 top (schematic designator R4)
R114 "NC" "SMD 0603" -12.903,51.689 r0 top (schematic designator R5)
R115 "NC" "SMD 0603" -11.303,50.292 r180 top (schematic designator R6)
R116 "10K" "SMD 0603" 56.7,20.2 r90 bottom (schematic designator R49)
R117 "1K" "SMD 0603" 56.7,22.4 r270 top (schematic designator R48)
R118 "10k 1%" "SMD 0603" 29.7,12.3 r90 top (schematic designator R14)
R119 "33k 0.1%" "SMD 0603" 26.9,14.9 r270 bottom (schematic designator R12)
R120 "33k 0.1%" "SMD 0603" 28.3,14.9 r270 bottom (schematic designator R13)
R121 "10k 1%" "SMD 0603" 28.3,12.3 r90 top (schematic designator R15)
TP1 "TestPoint" TESTPOINT 11.017,63.409 r0 bottom (schematic designator TP59)
TP2 "TestPoint" TESTPOINT 5.344,62.742 r180 top (schematic designator TP61)
TP3 "TestPoint" TESTPOINT 15.434,60.953 r180 top (schematic designator TP63)
TP4 "TestPoint" TESTPOINT 13.291,59.557 r180 top (schematic designator TP62)
TP5 "TestPoint" TESTPOINT 5.217,61.377 r180 top (schematic designator TP60)
TP6 "TestPoint" TESTPOINT 46.069,63.409 r0 bottom (schematic designator TP59)
TP7 "TestPoint" TESTPOINT 40.396,62.742 r180 top (schematic designator TP61)
TP8 "TestPoint" TESTPOINT 50.486,60.953 r180 top (schematic designator TP63)
TP9 "TestPoint" TESTPOINT 48.343,59.557 r180 top (schematic designator TP62)
TP10 "TestPoint" TESTPOINT 40.269,61.377 r180 top (schematic designator TP60)
TP11 "TestPoint" TESTPOINT 22.714,53.887 r0 bottom (schematic designator TP59)
TP12 "TestPoint" TESTPOINT 17.041,53.22 r180 top (schematic designator TP61)
TP13 "TestPoint" TESTPOINT 27.131,51.431 r180 top (schematic designator TP63)
TP14 "TestPoint" TESTPOINT 24.988,50.035 r180 top (schematic designator TP62)
TP15 "TestPoint" TESTPOINT 16.914,51.855 r180 top (schematic designator TP60)
TP16 "TestPoint" TESTPOINT 46.059,53.848 r0 bottom (schematic designator TP59)
TP17 "TestPoint" TESTPOINT 40.386,53.181 r180 top (schematic designator TP61)
TP18 "TestPoint" TESTPOINT 50.476,51.392 r180 top (schematic designator TP63)
TP19 "TestPoint" TESTPOINT 48.333,49.996 r180 top (schematic designator TP62)
TP20 "TestPoint" TESTPOINT 40.259,51.816 r180 top (schematic designator TP60)
TP21 "TestPoint" TESTPOINT 34.385,63.409 r0 bottom (schematic designator TP59)
TP22 "TestPoint" TESTPOINT 28.712,62.742 r180 top (schematic designator TP61)
TP23 "TestPoint" TESTPOINT 38.802,60.953 r180 top (schematic designator TP63)
TP24 "TestPoint" TESTPOINT 36.659,59.557 r180 top (schematic designator TP62)
TP25 "TestPoint" TESTPOINT 28.585,61.377 r180 top (schematic designator TP60)
TP26 "TestPoint" TESTPOINT 34.385,53.884 r0 bottom (schematic designator TP59)
TP27 "TestPoint" TESTPOINT 28.712,53.217 r180 top (schematic designator TP61)
TP28 "TestPoint" TESTPOINT 38.802,51.428 r180 top (schematic designator TP63)
TP29 "TestPoint" TESTPOINT 36.659,50.032 r180 top (schematic designator TP62)
TP30 "TestPoint" TESTPOINT 28.585,51.852 r180 top (schematic designator TP60)
TP31 "TestPoint" TESTPOINT 22.701,63.409 r0 bottom (schematic designator TP59)
TP32 "TestPoint" TESTPOINT 17.028,62.742 r180 top (schematic designator TP61)
TP33 "TestPoint" TESTPOINT 27.118,60.953 r180 top (schematic designator TP63)
TP34 "TestPoint" TESTPOINT 24.975,59.557 r180 top (schematic designator TP62)
TP35 "TestPoint" TESTPOINT 16.901,61.377 r180 top (schematic designator TP60)
TP36 "TestPoint" TESTPOINT -0.667,65.949 r0 bottom (schematic designator TP59)
TP37 "TestPoint" TESTPOINT -6.34,65.282 r180 top (schematic designator TP61)
TP38 "TestPoint" TESTPOINT 3.75,63.493 r180 top (schematic designator TP63)
TP39 "TestPoint" TESTPOINT 1.607,62.097 r180 top (schematic designator TP62)
TP40 "TestPoint" TESTPOINT -6.467,63.917 r180 top (schematic designator TP60)
TP41 "TestPoint" TESTPOINT 11.011,53.875 r0 bottom (schematic designator TP59)
TP42 "TestPoint" TESTPOINT 5.338,53.208 r180 top (schematic designator TP61)
TP43 "TestPoint" TESTPOINT 15.428,51.419 r180 top (schematic designator TP63)
TP44 "TestPoint" TESTPOINT 13.285,50.023 r180 top (schematic designator TP62)
TP45 "TestPoint" TESTPOINT 5.211,51.843 r180 top (schematic designator TP60)
TP46 "TestPoint" TESTPOINT 15.625,1.266 r90 bottom (schematic designator TP17)
TP47 "TestPoint" TESTPOINT 35.105,9.642 r0 top (schematic designator TP1)
TP48 "TestPoint" TESTPOINT 41.8,18.9 r90 bottom (schematic designator TP2)
TP49 "TestPoint" TESTPOINT 49.072,9.4 r90 top (schematic designator TP3)
TP50 "TestPoint" TESTPOINT 50.8,16.251 r90 bottom (schematic designator TP4)
TP51 "TestPoint" TESTPOINT 50.7,9.7 r90 top (schematic designator TP5)
TP52 "TestPoint" TESTPOINT 40.337,17.471 r90 bottom (schematic designator TP6)
TP53 "TestPoint" TESTPOINT 35.8,13.36 r90 top (schematic designator TP7)
TP54 "TestPoint" TESTPOINT 52.2,11.522 r90 bottom (schematic designator TP8)
TP55 "TestPoint" TESTPOINT 36.833,19.167 r90 bottom (schematic designator TP9)
TP56 "TestPoint" TESTPOINT 47.6,18.3 r90 top (schematic designator TP10)
TP57 "TestPoint" TESTPOINT 53.986,9.112 r90 top (schematic designator TP11)
TP58 "TestPoint" TESTPOINT 40.243,9.7 r90 top (schematic designator TP12)
TP59 "TestPoint" TESTPOINT 61.395,9.425 r90 top (schematic designator TP13)
TP60 "TestPoint" TESTPOINT 62.305,9.425 r90 top (schematic designator TP14)
TP61 "TestPoint" TESTPOINT 57.658,4.615 r90 bottom (schematic designator TP15)
TP62 "TestPoint" TESTPOINT 89.995,12.415 r90 top (schematic designator TP16)
TP63 "TestPoint" TESTPOINT 46.42,34.323 r180 top (schematic designator TP52)
TP64 "TestPoint" TESTPOINT 45.72,28.625 r180 bottom (schematic designator TP50)
TP65 "TestPoint" TESTPOINT 44.72,30.125 r180 top (schematic designator TP51)
TP66 "TestPoint" TESTPOINT 41.231,34.296 r180 top (schematic designator TP52)
TP67 "TestPoint" TESTPOINT 40.531,28.598 r180 bottom (schematic designator TP50)
TP68 "TestPoint" TESTPOINT 39.531,30.098 r180 top (schematic designator TP51)
TP69 "TestPoint" TESTPOINT 56.8,34.298 r180 top (schematic designator TP52)
TP70 "TestPoint" TESTPOINT 56.1,28.6 r180 bottom (schematic designator TP50)
TP71 "TestPoint" TESTPOINT 55.1,30.1 r180 top (schematic designator TP51)
TP72 "TestPoint" TESTPOINT 51.621,34.323 r180 top (schematic designator TP52)
TP73 "TestPoint" TESTPOINT 50.921,28.625 r180 bottom (schematic designator TP50)
TP74 "TestPoint" TESTPOINT 49.921,30.125 r180 top (schematic designator TP51)
TP75 "TestPoint" TESTPOINT 35.986,34.285 r180 top (schematic designator TP52)
TP76 "TestPoint" TESTPOINT 35.286,28.587 r180 bottom (schematic designator TP50)